# Altium PCB PCB1.PcbDoc
Units mil, origin at the board's own origin, x right, y up, seen from the top; angles counter-clockwise.
Board outline 2010 x 2443 mil, 2 copper layers (Top Layer, Bottom Layer); 30 components, 40 nets, 184 pads, 30 vias.
Unrouted connection lines stored in the file: 1.
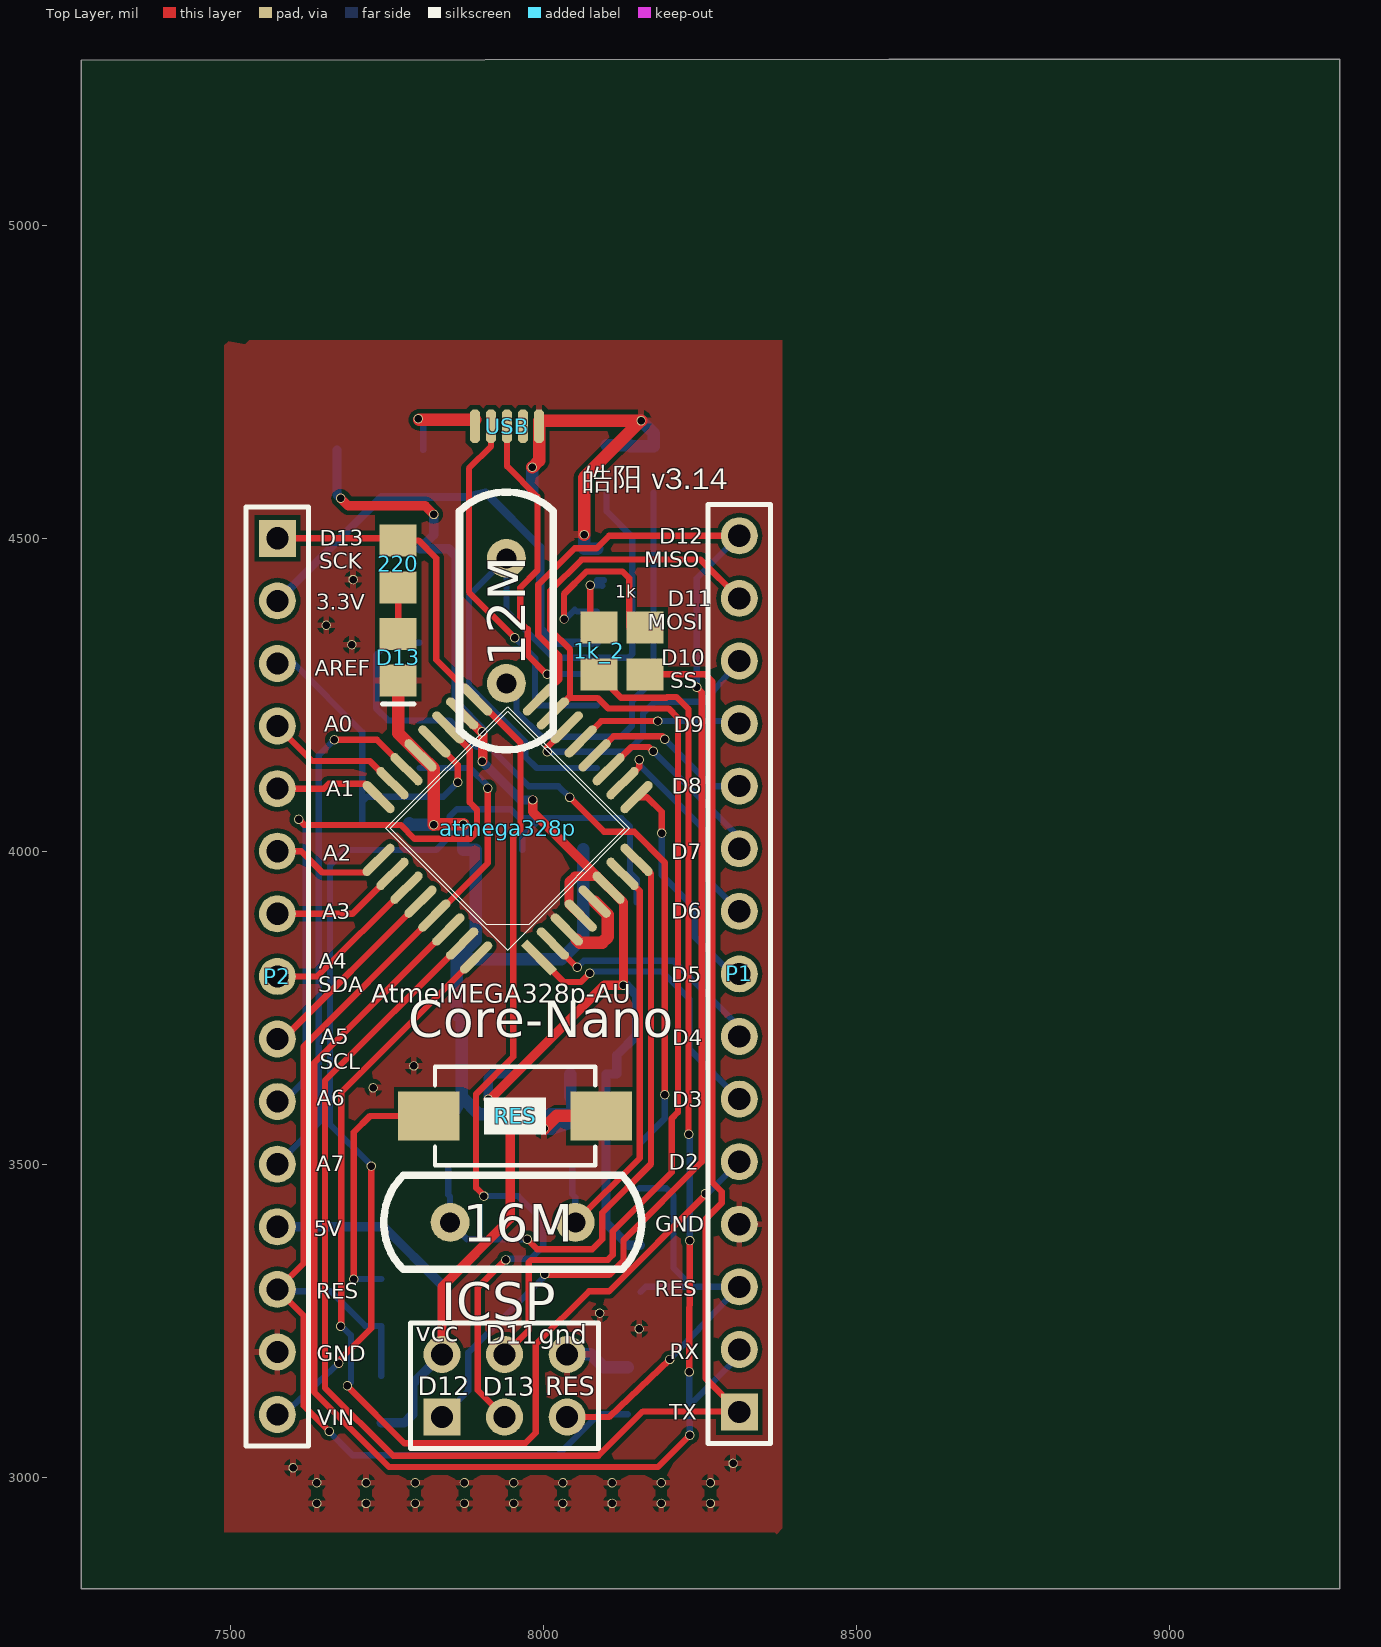
[diagram p0: Top Layer view]
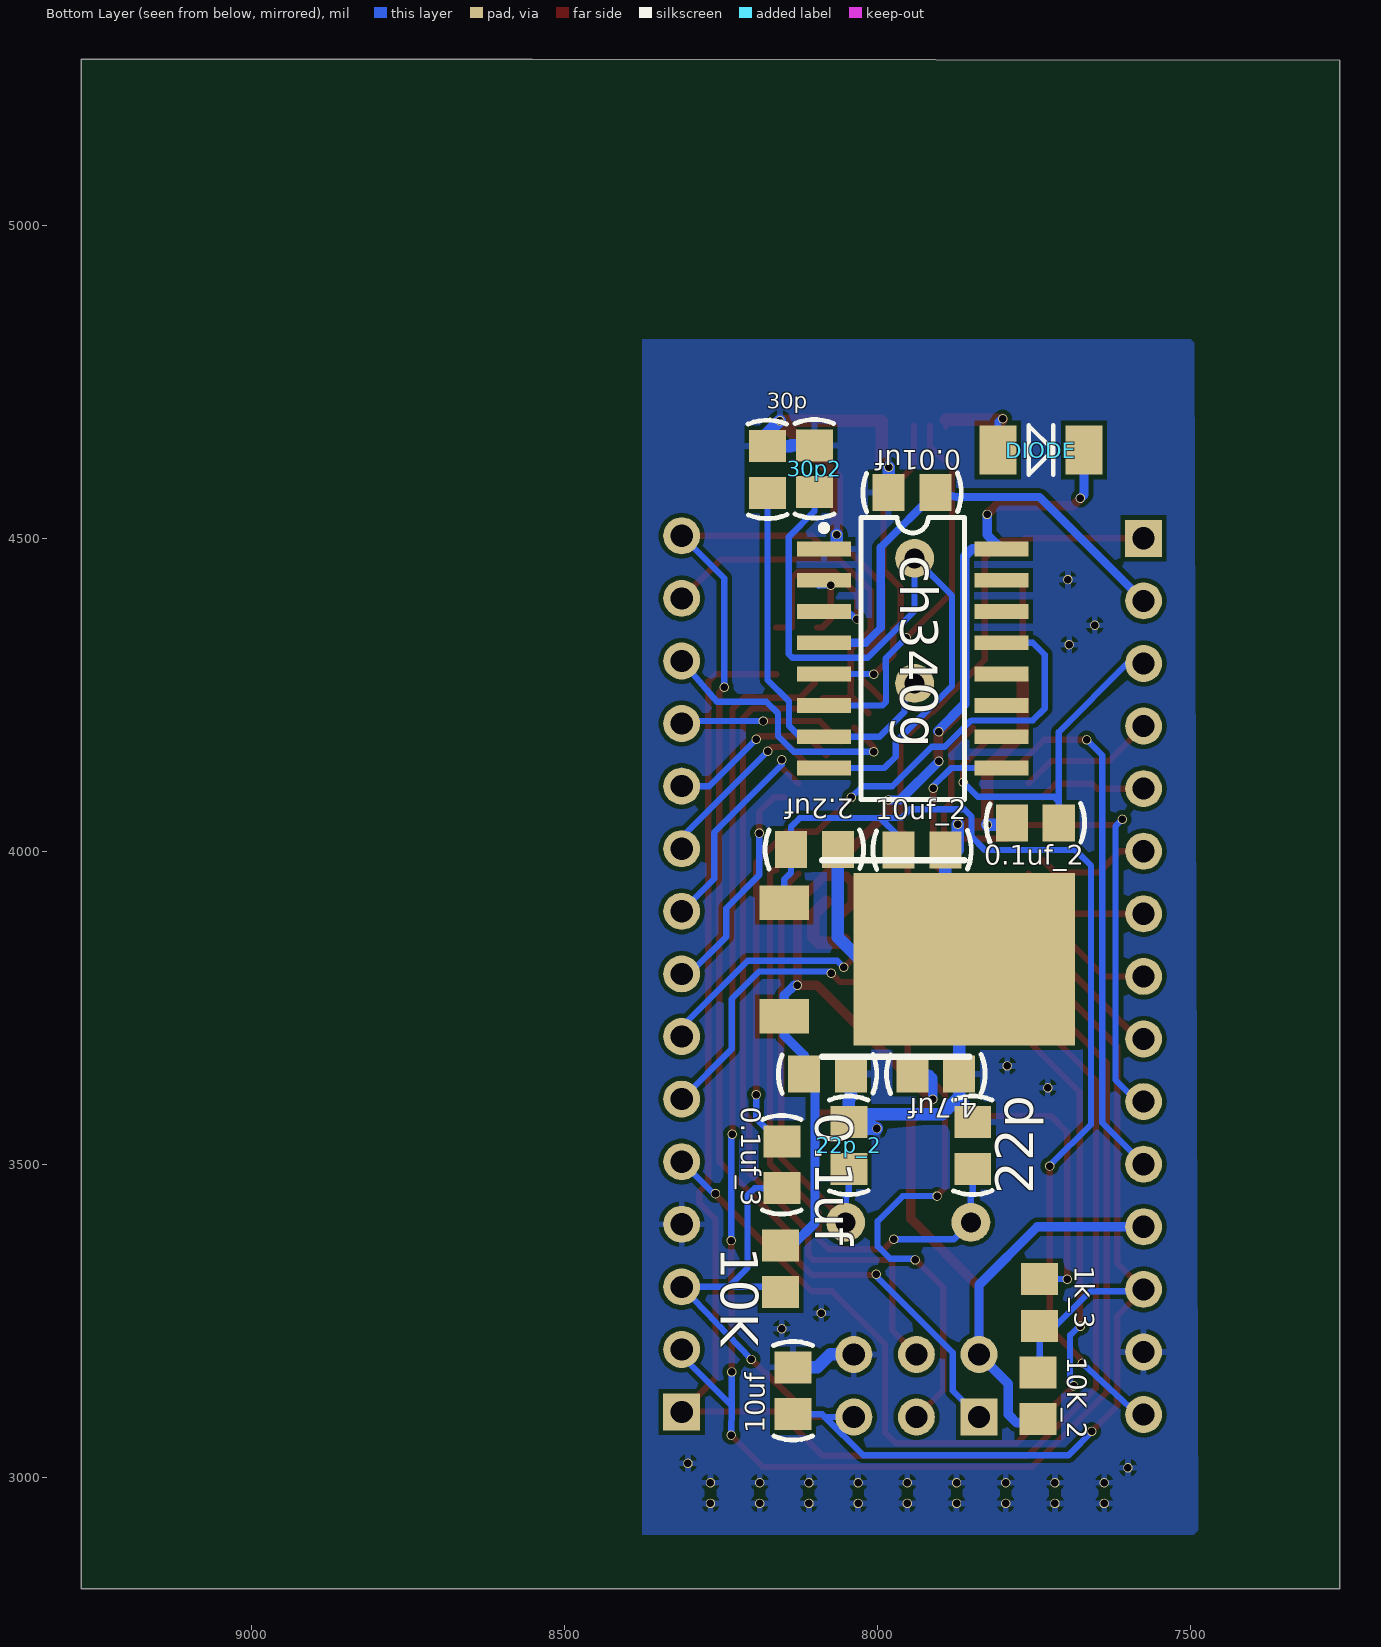
[diagram p1: Bottom Layer view, seen from below]

## Layer stack, top to bottom
Top Layer: signal copper 1.4
Dielectric: dielectric 12.6, FR-4, Dk 4.8
Bottom Layer: signal copper 1.4

## Board outline
8552,5266 9272,5266 9272,2823 7262,2823 7262,5265

## Design rules (kind name [scope] priority, off if disabled: settings)
Clearance [All] p1: gap=7
ComponentClearance [All] p1 off: gap=10 collisioncheckmode=3 verticalgap=10 showdistances=FALSE
PolygonConnect [All] p1: connectstyle=Relief reliefconductorwidth=10 reliefentries=4 polygonreliefangle="90 Angle"
RoutingVias [All] p1: holewidth=12 width=15 viastyle="Through Hole" minholewidth=12 minwidth=15 maxholewidth=12 maxwidth=15
SilkscreenOverComponentPads [All] p1: minsilkscreentomaskgap=10
SolderMaskExpansion [All] p1: expansion=4
Width Width_3 [InNet('3.3V')] p1: maxlimit=13 minlimit=13 preferedwidth=13
Width Width_2 [InNet('VCC')] p2: maxlimit=20 minlimit=15 preferedwidth=15
Width Width_1 [InNet('GND')] p3: maxlimit=20 minlimit=20 preferedwidth=20
Width [InNet('VCC')] p4: maxlimit=15 minlimit=15 preferedwidth=15
26 further rules are at their usual default settings.

## Components (designator, comment, footprint, x,y, rotation, side; value= is the part's Value field where it differs from the comment)
0.1uf "Cap" C-RAD-0805 8153,3500 r90 bottom
0.01uf "Cap" C-RAD-0805 7945,4574 r180 bottom
0.1uf_2 "Cap" C-RAD-0805 7748,4046 r180 bottom
0.1uf_3 "Cap" C-RAD-0805 8080,3645 r180 bottom
1k "Res2" 0805-2 8162,4321 r270 top
1k_2 "Res2" 0805-2 8089,4321 r270 top
1k_3 "Res2" 0805-2 7741,3280 r270 bottom
2.2uf "Cap Pol1" C-RAD-0805 8101,4004 r180 bottom
4.7uf "Cap" C-RAD-0805 7907,3645 r180 bottom
10K "Res2" 0805-2 8155,3334 r270 bottom
10K_2 "Res2" 0805-2 7744,3131 r270 bottom
10uf "Cap Pol1" C-RAD-0805 8135,3139 r90 bottom
10uf_2 "Cap Pol1" C-RAD-0805 7929,4003 r180 bottom
12M "XTAL" XTAL 7941,4264 r90 top
16M "XTAL" XTAL 8056,3408 r180 top
22p "Cap" C-RAD-0805 7848,3531 r90 bottom
22p_2 "Cap" C-RAD-0805 8046,3531 r90 bottom
30p "Cap" C-RAD-0805 8176,4611 r270 bottom
30p2 "Cap" C-RAD-0805 8101,4612 r270 bottom
220 "Res2" 0805-2 7768,4460 r90 top
atmega328p "atmega328p" TQFP32 7955,4004 r135 top
ch340g "ch340g" sop16(2003) 7944,4309 r270 bottom
D13 "LED0" LED_0805 7768,4311 r270 top
DIODE "Diode" DIODE-1206 7808,4642 r180 bottom
ICSP "Header 3X2A" HDR2X3_CEN 7838,3097 r0 top
P1 "Header 15" HDR1X15 8313,3105 r90 top
P2 "Header 15" HDR1X15 7575,4501 r270 top
RES "SW-PB" SW_PB2_A1 7957,3578 r90 top
USB "USB_M" USB_MICRO 7943,4580 r0 top
? "LM7805" TO-252 8149,3919 r270 bottom

## Footprints (in the part's own frame and the unit in brackets; to place one, negate y for a bottom-side part, rotate by r counter-clockwise, add the part's x,y. Pads: shape width x height; smd on the part's side, far side on the other; paste and mask are expansions set on the pad)
0805-2 [mm] "贴?"
  rect 1.3x1.5 smd: 1(-0.95,0) 2(0.95,0)
C-RAD-0805 [mm] "贴?"
  rect 1.3x1.5 smd: 1(-0.95,0) 2(0.95,0)
  silkscreen extent -2,-0.79 2,0.79, body extent -1.27,-0.64 1.27,0.64, height 0.9
DIODE-1206 [mm]
  rect 1.5x2 smd: 1(0,0) 2(3.5,0)
  silkscreen extent 1.25,-1 2.25,1
HDR1X15 [mm] "Connector; Header; 15 Position"
  rect 1.5x1.5 hole 0.9: 1(0,0)
  round 1.5 hole 0.9: 2(2.54,0) 3(5.08,0) 4(7.62,0) 5(10.16,0) 6(12.7,0) 7(15.24,0) 8(17.78,0) 9(20.32,0) 10(22.86,0) 11(25.4,0) 12(27.94,0) 13(30.48,0) 14(33.02,0) 15(35.56,0)
  silkscreen extent -1.27,-1.27 36.83,1.27
HDR2X3_CEN [mm] "Connector; Header; 3x2 Position"
  rect 1.5x1.5 hole 0.9: 1(0,0)
  round 1.5 hole 0.9: 2(2.54,0) 3(5.08,0) 4(0,2.54) 5(2.54,2.54) 6(5.08,2.54)
  silkscreen extent -1.27,-1.27 6.35,3.81
LED_0805 [mm]
  rect 1.3x1.5 smd: 1(-0.95,0) 2(0.95,0)
  silkscreen extent 1.91,-0.63 1.91,0.64
sop16(2003) [mm] "Small Outline; 16 Leads; Body Width 5.6 m"
  rect 0.6x2.2 smd: 1(-4.445,-3.6) 2(-3.175,-3.6) 3(-1.905,-3.6) 4(-0.635,-3.6) 5(0.635,-3.6) 6(1.905,-3.6) 7(3.175,-3.6) 8(4.445,-3.6) 9(4.445,3.6) 10(3.175,3.6) 11(1.905,3.6) 12(0.635,3.6) 13(-0.635,3.6) 14(-1.905,3.6) 15(-3.175,3.6) 16(-4.445,3.6)
  silkscreen extent -5.73,-3.73 5.73,2.1
SW_PB2_A1 [mm]
  rect 2x2.5 smd: 1(0,3.556) 2(0,-3.444)
  silkscreen extent -2,-3.19 2,3.31, body extent -2.03,-3.17 2.03,3.3, height 1.2
TO-252 [mm]
  rect 1.4x2 smd: 1(0,0) 3(4.623,0)
  rect 7x9 smd: 2(2.3,7.3)
  silkscreen extent -1.72,1.52 6.26,7.51
TQFP32 [mm]
  rect 1.7x0.37 smd: 1(-3.781,2.422)
  oval 1.7x0.37 smd: 2(-3.781,1.622) 3(-3.781,0.822) 4(-3.781,0.022) 5(-3.781,-0.778) 6(-3.781,-1.578) 7(-3.781,-2.378) 8(-3.781,-3.178) 17(5.419,-3.178) 18(5.419,-2.378) 19(5.419,-1.578) 20(5.419,-0.778) 21(5.419,0.022) 22(5.419,0.822) 23(5.419,1.622) 24(5.419,2.422)
  oval 0.37x1.7 smd: 9(-1.981,-4.978) 10(-1.181,-4.978) 11(-0.381,-4.978) 12(0.419,-4.978) 13(1.219,-4.978) 14(2.019,-4.978) 15(2.819,-4.978) 16(3.619,-4.978) 25(3.619,4.222) 26(2.819,4.222) 27(2.019,4.222) 28(1.219,4.222) 29(0.419,4.222) 30(-0.381,4.222) 31(-1.181,4.222) 32(-1.981,4.222)
  silkscreen extent -2.68,-3.88 4.32,3.12
USB_MICRO [mm]
  oct 0.4x1.35 smd: 1(-1.325,2.54) 2(-0.675,2.54) 3(-0.025,2.54) 4(0.625,2.54) 5(1.275,2.54)
XTAL [mil]
  round 62 hole 32: 1(5,0) 2(205,0)
  silkscreen extent -101,-75 311,75

## Part data
0.1uf 0.01uf 0.1uf_2 0.1uf_3 4.7uf 22p 22p_2 30p 30p2: "Capacitor"
1k 1k_2 1k_3 10K 10K_2 220: "Resistor"
2.2uf 10uf 10uf_2: "Polarized Capacitor (Radial)"
D13: "发?"
DIODE: "二?"
ICSP: "Header, 3-Pin, Dual row"
P1 P2: "Header, 15-Pin"
RES: "΢?"
USB: "MicroUSB接?"

## Free pads (board coordinates)
  round 15 hole 12: 0(7638,2959) 0(7638,2992) 1(7716.62,2959) 1(7716.62,2992) 2(7795.25,2959) 2(7795.25,2992) 3(7825,4539) 3(7873.88,2959) 3(7873.88,2992) 4(7676,4565) 4(7952.5,2959) 4(7952.5,2992) 5(8031.12,2959) 5(8031.12,2992) 5(8259,3454) 6(8109.75,2959) 6(8109.75,2992) 6(8202,3189) 7(8188.38,2959) 7(8188.38,2992) 7(8234,3379) 8(8233,3169) 8(8267,2959) 8(8267,2992) 9(7653,4362) 9(8189,4030) 10(7694,4331) 10(8042,4087) 11(7609,4052) 11(7696,4435) 11(8194,3612) 12(7725,3498) 12(7793,3658) 13(7666,4179) 13(7728,3623) 14(7658,3074) 14(7673,3183) 14(8090,3263) 15(7687,3147) 15(8153,3238) 15(8234,3068) 16(7600,3016) 16(7676,3242) 17(8303,3023) 18(7905,3450) 19(7940,3348)

## Via types
v1: diameter 15, hole 12, Top Layer to Bottom Layer, 30 vias

## Nets (pads, with @x,y where several pads share a name; then routed paths per layer and width w, separated by ;. In a path a pad name is that pad's centre, name@x,y a point inside that pad or via, vN(x,y) a via of type N, cw(c..) or ccw(c..) an arc to the next point about the centre after c; other vN are vias at no path point)
3.3V: 0.01uf.2 ch340g.4 P2.2 | length 755
  Bottom Layer w13: P2.2 7741.13,4567.13 7873.66,4567.13 0.01uf.2 7995,4486.6 7995,4358 8019,4334 ch340g.4
A0: atmega328p.23 P2.4 | length 221.8
  Top Layer w10: P2.4 7631,4145 7723,4145 7758.3,4109.7 atmega328p.23
A1: atmega328p.24 P2.5 | length 174
  Top Layer w10: P2.5 7649,4101 7657,4109 7715.15,4109 atmega328p.24
A2: atmega328p.25 P2.6 | length 184.2
  Top Layer w10: P2.6 7613,4001 7647,3967 7716.5,3967 atmega328p.25
A3: atmega328p.26 P2.7 | length 210.5
  Top Layer w10: P2.7 7695,3901 atmega328p.26@7758.94,3964.94
A4: atmega328p.27 P2.8 | length 264.9
  Top Layer w10: P2.8 7639,3801 7780.67,3942.67 atmega328p.27
A5: atmega328p.28 P2.9 | length 319.4
  Top Layer w10: P2.9 7584,3701 7803.4,3920.4 atmega328p.28
A6: atmega328p.19 P2.10 pad.11@7609,4052 | length 968.3
  Top Layer w10: pad.11@7609,4052 7618,4043 7772,4043 7794,4021 7883,4021 7894,4032 7894,4067.5 7882.5,4079 7882.5,4163.5 7848.07,4197.93 atmega328p.19
  Bottom Layer w10: P2.10 7585,3601 7620,3636 7620,4041 pad.11@7609,4052
A7: atmega328p.22 P2.11 pad.13@7666,4179 | length 850.4
  Top Layer w10: pad.13@7666,4179 7734,4179 7781.02,4131.98 atmega328p.22
  Bottom Layer w10: P2.11 7641,3567 7641,4154 pad.13@7666,4179
AREF: 0.1uf_2.2 atmega328p.20 P2.3 | length 572.6
  Top Layer w10: atmega328p.20 7863,4139.32 v1(7863,4111)
  Bottom Layer w10: P2.3 7601,4301 7710.6,4191.4 7710.6,4080 ; 0.1uf_2.2 7710.6,4080 ; v1(7863,4111) 7840,4088 7718.6,4088 7710.6,4080
D2: atmega328p.32 P1.5 pad.5@8259,3454 pad.15@7687,3147 pad.16@7676,3242 | length 1715
  Top Layer w10: pad.16@7675,3243 7677,3245 7677,3615.7 atmega328p.32 ; pad.15@7688,3145 7778,3055 7971,3055 7988,3072 7988,3213 8073,3298 8105,3298 pad.5@8259,3452
  Bottom Layer w10: pad.16@7676,3244 7692.5,3227.5 7692.5,3152.5 pad.15@7687,3147 ; pad.5@8259,3454 8262,3454 P1.5
D3: atmega328p.1 P1.6 | length 474.9
  Top Layer w10: atmega328p.1 7993.68,3831.32 8033,3792 8060,3792 v1(8074,3806)
  Bottom Layer w10: v1(8074,3806) 8077,3809 8189,3809 8233,3765 8233,3685 P1.6
D4: atmega328p.2 P1.7 | length 377
  Top Layer w10: atmega328p.2 8053,3815.69 v1(8054,3815.69)
  Bottom Layer w10: v1(8054,3815.69) 8064.31,3826 8207.47,3826 8313,3720.47 P1.7
D5: atmega328p.9 P1.8 pad.9@8189,4030 | length 367.4
  Top Layer w10: atmega328p.9 8165.57,4087.43 8189,4064 pad.9@8189,4030
  Bottom Layer w10: pad.9@8189,4030 8189,3963 8242,3910 8242,3864 8301,3805 P1.8
D6: atmega328p.10 P1.9 | length 357.3
  Top Layer w10: atmega328p.10 8127.7,4109.7 8153,4135 v1(8153,4147)
  Bottom Layer w10: v1(8153,4147) 8153,4139 8261,4031 8261,3957 P1.9
D7: atmega328p.11 P1.10 | length 301.4
  Top Layer w10: atmega328p.11 8104.97,4131.97 8140.5,4167.5 8168.5,4167.5 v1(8175.5,4160.5)
  Bottom Layer w10: v1(8175.5,4160.5) 8313,4023 P1.10
D8: atmega328p.12 P1.11 | length 298.2
  Top Layer w10: atmega328p.12 8112.17,4184.5 v1@8190.17,4184.5 ; v1(8194,4180) v1@8195,4179
  Bottom Layer w10: v1@8195,4179 v1(8194,4180) 8269,4105 P1.11 P1.11@8313,4129.53
D9: atmega328p.13 P1.12 | length 277.6
  Top Layer w10: atmega328p.13 8092.13,4209 8184.06,4209 8183,4207.94 v1@8183,4211
  Bottom Layer w10: v1@8183,4211 8183,4207.94 8184.06,4209 8309,4209 P1.12
  other v1: 8183,4209
D10: atmega328p.14 P1.13 | length 442.6
  Top Layer w10: v1(8006,4160) 8006,4167 8037.38,4198.38 atmega328p.14
  Bottom Layer w10: v1(8006,4160) 8134,4160 8159,4185 8159,4221 8178,4240 8256.5,4240 P1.13
D11: atmega328p.15 ICSP.5 P1.14 | length 1977
  Top Layer w10: ICSP.5 7976.53,3235.53 7976.53,3344 7980.53,3348 8103,3348 8111,3356 8111,3393.96 8205,3487.96 8205,3574 8215,3584 8215,4214.01 8200,4229.01 8173.43,4229.01 8103.47,4229.01 8086.48,4246 8042,4246 atmega328p.15@8029,4233 ; atmega328p.15 8015.1,4222.1 8042.73,4249.73 8042.73,4323.27 8011,4355 8011,4417 8061,4467 8251,4467 P1.14
D12: atmega328p.16 ICSP.1 P1.15 | length 2238.2
  Top Layer w10: atmega328p.16 7992.83,4243.83 8013.5,4264.5 8014.31,4264.5 8025.73,4275.92 8025.73,4312.27 7992,4346 7992,4426.96 8007.5,4442.46 ; v1(8002,3325) 8003,3324 8105,3324 8128,3347 8128,3379.66 8253,3504.66 8253,4255.01 v1(8245,4263.01) ; 8007.5,4442.5 8050,4485 8085,4485 8105,4505 P1.15
  Bottom Layer w10: ICSP.1 7880,3139 7880,3200 8002,3322 v1(8002,3325) ; v1(8245,4263.01) 8245,4437 P1.15
D13: 220.2 atmega328p.17 ICSP.2 P2.1 pad.18 pad.19 | length 1884.9
  Top Layer w10: P2.1 7764.4,4501 220.2 7800.6,4497.4 7829,4469 7829,4306.94 atmega328p.17 7892.61,4242.39 7911.59,4223.41 7914.59,4223.41 7963.5,4174.5 7963.5,4035.59 7952,4024.09 7952,3672.58 7892.5,3613.08 7892.5,3463.5 pad.18@7904,3452 ; ICSP.2 7895,3140 7895,3304 pad.19@7940.5,3349.5
  Bottom Layer w10: pad.18 7960,3450 8000,3410 8000,3370 7980,3350 pad.19@7940,3350
GND: 0.01uf.1 0.1uf_2.1 0.1uf_3.2 2.2uf.2 4.7uf.2 10uf.2 10uf_2.2 22p.2 22p_2.2 30p2.1 30p.1 ?.2 atmega328p.3 atmega328p.5 atmega328p.21 ch340g.1 D13.2 ICSP.6 P1.4 P2.14 pad.0 pad.1 pad.2 pad.3@7873.88,2959 pad.3@7873.88,2992 pad.4@7952.5,2959 pad.4@7952.5,2992 pad.5@8031.12,2959 pad.5@8031.12,2992 pad.6@8109.75,2959 pad.6@8109.75,2992 pad.7@8188.38,2959 pad.7@8188.38,2992 pad.8@8267,2959 pad.8@8267,2992 pad.9@7653,4362 pad.10@7694,4331 pad.11@7696,4435 pad.12@7793,3658 pad.13@7728,3623 pad.14@8090,3263 pad.15@8153,3238 pad.16@7600,3016 pad.17 RES.2 USB.5 | length 2571.2
  Top Layer w20: D13.2 7768,4189.77 atmega328p.21 7825,4132.77 v1(7825,4043) 7826,4044 v1(7871.93,4044) ; v1(7982.4,4614.4) 7993.2,4625.2 USB.5 7993.2,4689 v1(8156,4689) 8065,4598 v1(8065,4507) ; v1(8001,3558) 8021,3578 8083,3578 RES.2 ; atmega328p.3@8053.5,3859.5 8058,3855 8094,3855 8103,3864 8103,3899.32 atmega328p.5
  Bottom Layer w20: 0.1uf_2.1 7785.4,4043 v1(7825,4043) ; 22p.2 7869.6,3608 ; v1(7871.93,4044) 7871.93,4003 10uf_2.2 7891.6,3858.45 ?.2 ; 0.01uf.1 v1(7982.4,4614.4) ; v1(8001,3558) v1@8005,3558 ; ICSP.6 8076,3197 8096.6,3176.4 10uf.2 ; 0.1uf_3.2 8042.6,3608.4 8046,3605 22p_2.2@8046,3580.47 ; 2.2uf.2 8063.6,3863.28 8028.76,3828.45 ?.2 ; v1(8065,4507) 8065,4484 ch340g.1 ; 30p2.1 8138,4649.4 8139,4648.4 30p.1 8176,4669 v1(8156,4689) ; ?.2 7861.6,3740 7869.6,3732 4.7uf.2 7869.6,3608 ; 7869.6,3608 7897.13,3580.47 22p_2.2@8046,3580.47 ; v1@8005,3558 8015.4,3568.4 22p_2.2 ; v1@8005,3558 8014.5,3558 22p_2.2 ; 22p_2.2 22p_2.2@8046,3580.47
Net0.1uf_2: 0.1uf.2 ch340g.13 pad.10@8042,4087 pad.11@8194,3612 | length 1186.4
  Top Layer w10: pad.10@8042,4087 8097,4032 8145,4032 8194,3983 pad.11@8194,3612
  Bottom Layer w10: ch340g.13 7752,4334 7733,4315 7733,4229 7752,4210 7850,4210 ; 7852,4209 7893,4168 7913.5,4168 7976.5,4105 8024,4105 pad.10@8042,4087 ; 0.1uf.2@8156,3536 8194,3574 pad.11@8194,3612
Net1k_1: 1k.1 ch340g.3 | length 324
  Top Layer w10: v1@8033,4370 8033,4412 8069,4448 8126,4448 8137,4437 8137,4358.4 1k.1
  Bottom Layer w10: v1(8033,4372) 8035,4372 ch340g.3@8050,4387 ; ch340g.3@8054,4384 ch340g.3
Net1k_2_1: 1k_2.1 ch340g.2 | length 112.3
  Top Layer w10: v1(8075,4426) 8075,4372 8088.6,4358.4 1k_2.1@8097,4358.4
  Bottom Layer w10: v1(8075,4426) 8093,4426 ch340g.2@8094,4425 ; ch340g.2 ch340g.2@8097,4434
Net1k_3_1: 1k_3.1 RES.1 | length 409.4
  Top Layer w10: v1(7697,3317.4) 7697,3552 7723,3578 RES.1
  Bottom Layer w10: v1(7697,3317.4) 1k_3.1
Net12M_1: 12M.1 30p.2 ch340g.7 | length 646.4
  Bottom Layer w10: 12M.1 7957,4253 7957,4224 7997,4184 ch340g.7 8124.04,4184 8141.6,4201.56 8141.6,4240.6 8176,4275 30p.2
Net12M_2: 12M.2 30p2.2 ch340g.8 | length 1095.3
  Bottom Layer w10: ch340g.8 7989.21,4134 7971,4152.21 7971,4175.55 7881,4265.55 7881,4409 12M.2 7941,4385 8016,4310 8136,4310 8142,4316 8142,4503 8101,4544 30p2.2
Net16M_1: 16M.1 22p_2.1 atmega328p.7 | length 698.5
  Top Layer w10: 16M.1 8153.8,3510.8 8153.8,3937.58 8142.65,3948.73 atmega328p.7
  Bottom Layer w10: 22p_2.1 8046,3453 8051,3448 16M.1
Net16M_2: 16M.2 22p.1 atmega328p.8 | length 983.1
  Top Layer w10: v1(7974,3381) 7990,3365 8078,3365 8094,3381 8094,3423.28 8172,3501.28 8172,3965 8166,3971 atmega328p.8@8162,3971
  Bottom Layer w10: 22p.1 7848,3452 7851,3449 16M.2 7878,3381 v1(7974,3381)
Net220_1: 220.1 D13.1 | length 74.2
  Top Layer w10: D13.1 220.1
Netch340g_5: ch340g.5 USB.3 | length 523.3
  Top Layer w10: USB.3 7942.02,4616 7990.5,4567.52 7990.5,4449.5 7963,4422 7963,4367 7973.5,4356.5 ; 7975,4356 7975,4314 v1@8005,4284
  Bottom Layer w10: v1(8006.23,4284) ch340g.5
Netch340g_6: ch340g.6 USB.2 | length 600.6
  Top Layer w10: USB.2 7916.43,4648 7881,4612.57 7881,4415 v1(7954,4342)
  Bottom Layer w10: v1(7954,4342) 7987,4309 7987,4292.35 7986.73,4292.08 7986.73,4239.27 7992,4234 ch340g.6
NetDIODE_1: DIODE.1 USB.1 | length 157.3
  Top Layer w10: v1(7800,4692) v1@7802,4690 ; USB.1 USB.1@7890.83,4690
  Top Layer w20: v1@7802,4690 USB.1@7890.83,4690
  Bottom Layer w10: v1(7800,4692) 7804,4692 7808,4688 DIODE.1
RESET: 0.1uf.1 1k_3.2 10K.2 10K_2.1 10uf.1 atmega328p.29 ch340g.9 ICSP.3 P1.3 P2.13 pad.6@8202,3189 pad.14@7658,3074 | length 2982.5
  Top Layer w10: 7618,3125.96 7617,3126.96 ; pad.14@7658,3074 7617,3115 7617,3126.96 ; v1(7911,4101.5) 7911,3982 7827.13,3898.13 atmega328p.29 7825.8,3897.8 7617,3689 7617,3343 P2.13 7617,3259 7617,3126.96 ; ICSP.3 8105,3097 pad.6@8202,3189
  Bottom Layer w10: P2.13 7578,3298 7660,3298 7715.4,3242.6 1k_3.2 10K_2.1@7741,3162.4 ; pad.14@7656,3075 7695,3036 8023,3036 8084,3097 ; ch340g.9 7882.5,4134 7911,4105.5 v1(7911,4101.5) ; ICSP.3 8084,3097 ; 10uf.1 8088.6,3101.6 8084,3097 ; 0.1uf.1 8196.4,3462.6 8208,3451 8208,3335 8238,3305 P1.3 ; 10K.2 8163.4,3305 P1.3 ; pad.6@8202,3189 P1.3
RX: 1k_2.2 atmega328p.30 P1.2 pad.7@8234,3379 pad.8@8233,3169 pad.15@8234,3068 | length 2958.3
  Top Layer w10: atmega328p.30 7846.86,3875.86 7634,3663 7634,3136.92 7753.92,3017 8183,3017 pad.15@8234,3068 ; 1k_2.2 8100,4283.6 8100,4270.01 8124,4246.01 8166.39,4246.01 8196.5,4246.01 8197.99,4247.5 8212.5,4247.5 8232,4228 v1(8232,3549) ; pad.8@8233,3169 pad.7@8234,3379
  Bottom Layer w10: v1(8232,3549) 8234,3547 pad.7@8234,3379 ; pad.8@8233,3169 8233,3115 ; pad.15@8234,3068 8233,3115 ; P1.2 8313,3195 8233,3115
TX: 1k.2 atmega328p.31 P1.1 | length 2856.8
  Top Layer w10: atmega328p.31 7651,3634.24 7651,3143.96 7759.96,3035 8088,3035 8159,3106 8312,3106 P1.1 8259,3159 8259,3413 8285,3439 8285,3457 8270.4,3471.6 8270.4,4272 8258.8,4283.6 1k.2
VCC: 0.1uf_3.1 4.7uf.1 10K.1 10K_2.2 ?.3 atmega328p.4 atmega328p.6 atmega328p.18 ch340g.16 DIODE.2 ICSP.4 P2.12 pad.3@7825,4539 pad.4@7676,4565 | length 3276.8
  Top Layer w15: pad.4@7676,4565 7688,4553 7811,4553 pad.3@7825,4539 ; ICSP.4 7838,3305 7947,3414 7947,3570 v1(7912,3605) 7915,3605 8097,3787 v1(8128,3787) 8128,3919 8104.33,3942.67 atmega328p.6 ; atmega328p.18 atmega328p.18@7888.4,4203 ; atmega328p.18@7873,4218 atmega328p.18@7888,4203 ; atmega328p.18@7889,4203 7903,4189 v1@7903,4145 ; v1(7983,4082.86) 7983,4063.86 atmega328p.6@8085.86,3961 ; atmega328p.4 8041,3916.77 8041,3952 8050,3961 atmega328p.6@8085.86,3961 ; atmega328p.6@8085.86,3961 8086,3961 8104.19,3942.81 atmega328p.6 ; atmega328p.6@8085.86,3961 atmega328p.6
  Bottom Layer w15: P2.12 7745,3401 7838,3308 ICSP.4 7791,3150 7791,3101 7777.6,3087.6 10K_2.2@7741,3087.6 ; DIODE.2 7670.21,4570.79 pad.4@7676,4565 ; pad.3@7825,4539 7825,4506.73 ch340g.16 7849,4484 7861,4472 7861,4236 v1@7904,4193 ; v1(7902,4144.86) 7964,4082.86 v1(7983,4082.86) ; v1(7912,3605) 7912,3639 7918,3645 4.7uf.1 ; v1(8128,3787) 8133,3787 8149,3771 ?.3 8149,3706.6 8117.4,3675 0.1uf_3.1 8100,3645 8100,3407 8135.6,3371.4 10K.1
  other v1: 7902,4192
VIN: 2.2uf.1 10uf_2.1 ?.1 P2.15 pad.12@7725,3498 pad.14@7673,3183 | length 1709.3
  Top Layer w10: pad.14@7674,3180 7674,3188 7725,3239 pad.12@7725,3498
  Bottom Layer w10: P2.15@7576,3103 7587,3103 pad.14@7673,3183 ; pad.12@7725,3499 7659,3565 7659,3978 7684,4003 7829,4003 7849.93,4023.93 7849.93,4056 7861.86,4067.93 7948.07,4067.93 7962,4054 7995.4,4054 ; 10uf_2.1 7966.4,4025 7995.4,4054 ; ?.1 8149,3956 8138.4,3966.6 2.2uf.1 8138.4,4040 8124.4,4054 7995.4,4054
pads on no net: ch340g.10 ch340g.11 ch340g.12 ch340g.14 ch340g.15 USB.4

## Polygon pours and split planes (outlines as drawn)
GND on Top Layer "Top Layer-No Net" (solid, remove dead copper, pour order 2): 7524,4811 7530,4817 8382,4817 8382,2919 8373,2910 8370,2913 7490,2913 7490,4814 7493,4817
GND on Bottom Layer "Top Layer-No Net" (solid, remove dead copper, pour order 4): 7494,4813 7500,4819 8376,4819 8376,2909 8379,2906 8376,2909 7488,2909

## Silkscreen, mask and mechanical layers (free items; w line width, h text height)
Top Overlay:
  text "皓阳 v3.14" at 8063,4567 h60
  text "D12" at 8185,4492 h25
  text "D13" at 7643,4489 h25
  text "MISO" at 8161,4455 h25
  text "SCK" at 7642,4452 h25
  text "D11" at 8199,4392 h25
  text "3.3V" at 7637,4387 h25
  text "MOSI" at 8167,4355 h25
  text "D10" at 8188,4298 h25
  text "AREF" at 7635,4281 h25
  text "SS" at 8203,4261 h25
  text "A0" at 7650,4192 h25
  text "D9" at 8208,4191 h25
  text "D8" at 8205,4093 h25
  text "A1" at 7653,4089 h25
  text "D7" at 8204,3988 h25
  text "A2" at 7648,3986 h25
  text "D6" at 8204,3893 h25
  text "A3" at 7647,3892 h25
  text "A4" at 7641,3813 h25
  text "D5" at 8204,3792 h25
  text "SDA" at 7640,3776 h25
  text "AtmelMEGA328p-AU" at 7725,3759 h30
  text "A5" at 7644,3693 h25
  text "D4" at 8206,3691 h25
  text "Core-Nano" at 7784,3685 h100
  text "SCL" at 7643,3653 h25
  text "A6" at 7638,3594 h25
  text "D3" at 8206,3592 h25
  text "D2" at 8200,3492 h25
  text "A7" at 7637,3490 h25
  text "GND" at 8179,3393 h25
  text "5V" at 7633,3386 h25
  text "RES" at 8178,3290 h25
  text "RES" at 7637,3286 h25
  text "D11" at 7908,3214 h30
  text "gnd" at 7993,3214 h30
  text "RX" at 8202,3189 h25
  text "GND" at 7638,3186 h25
  text "D12" at 7799,3132 h30
  text "RES" at 8003,3132 h30
  text "D13" at 7903,3131 h30
  text "TX" at 8201,3093 h25
  text "VIN" at 7639,3084 h25

## Dimensions
8427,4708 to 8370,2913 on Top Overlay
7524,4811 to 8382,4817 on Top Overlay

## Text inside footprints (layer, text, board x,y; h text height)
ICSP: Top Overlay "vcc" at 7796,3218 h30